# Altium PCB IDC_MCX_Adapter.PCBDOC (part 1 of 2)
Units mm, origin at the board's own origin, x right, y up, seen from the top; angles counter-clockwise.
Board outline 125.1 x 100.1 mm, 4 copper layers (L1, L2, L3, L4), stack 1.527 mm thick; 264 components, 197 nets, 810 pads, 0 vias.
Unrouted connection lines stored in the file: 146.
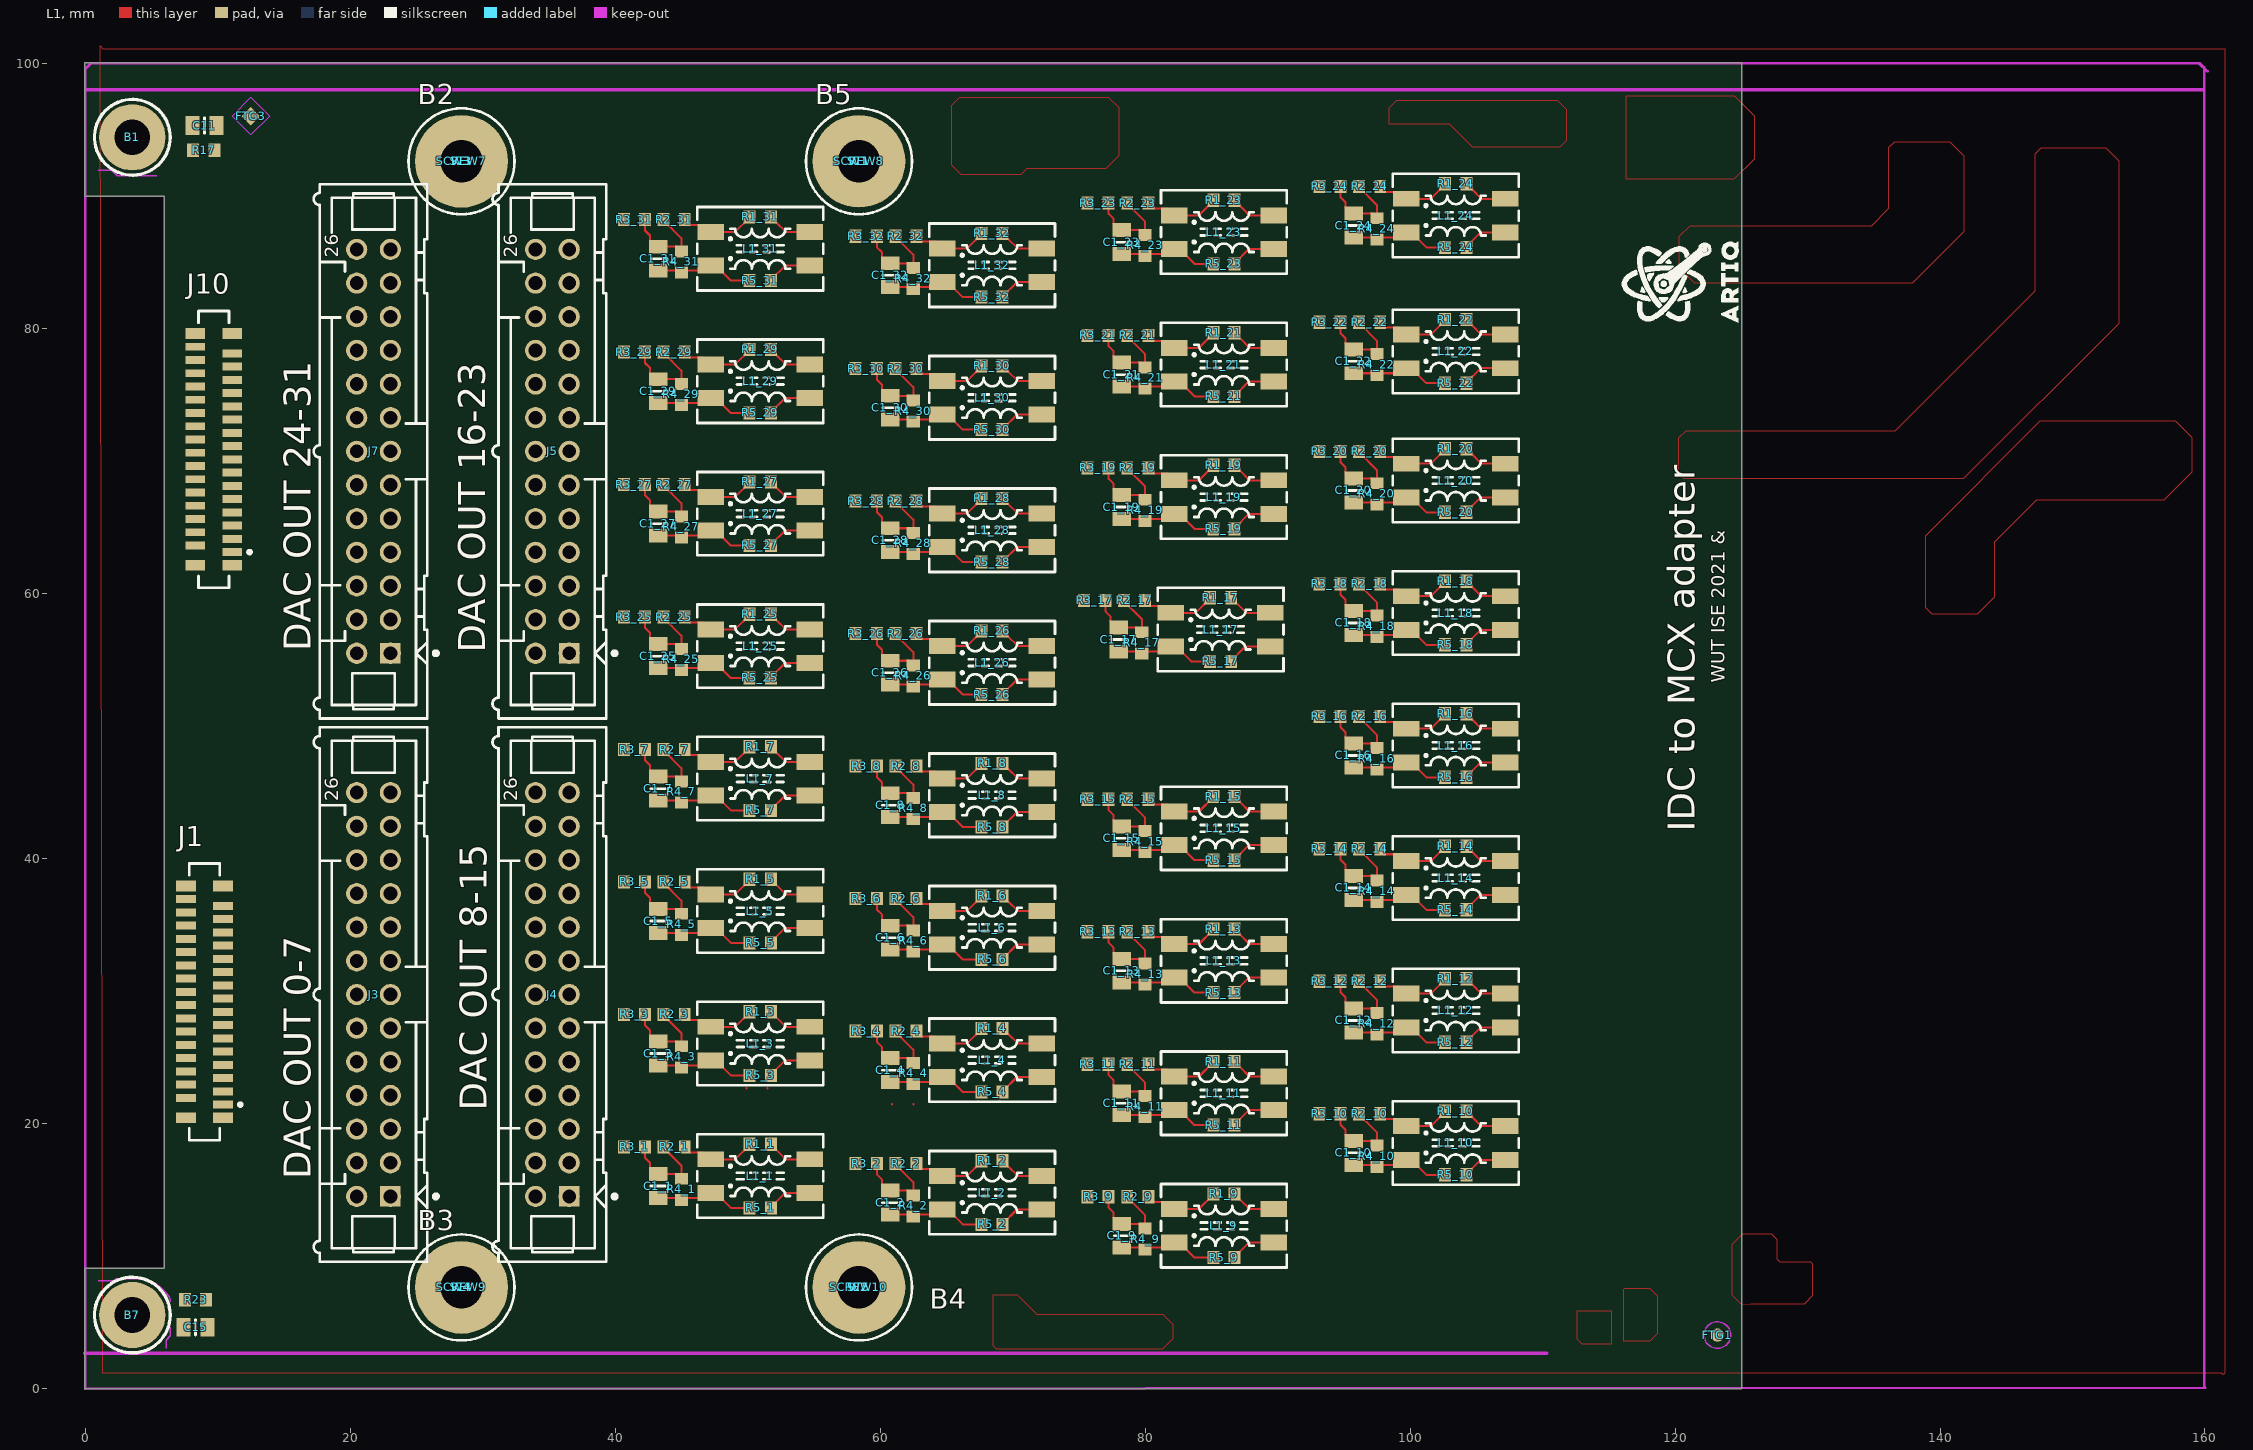
[diagram p0: L1 view]
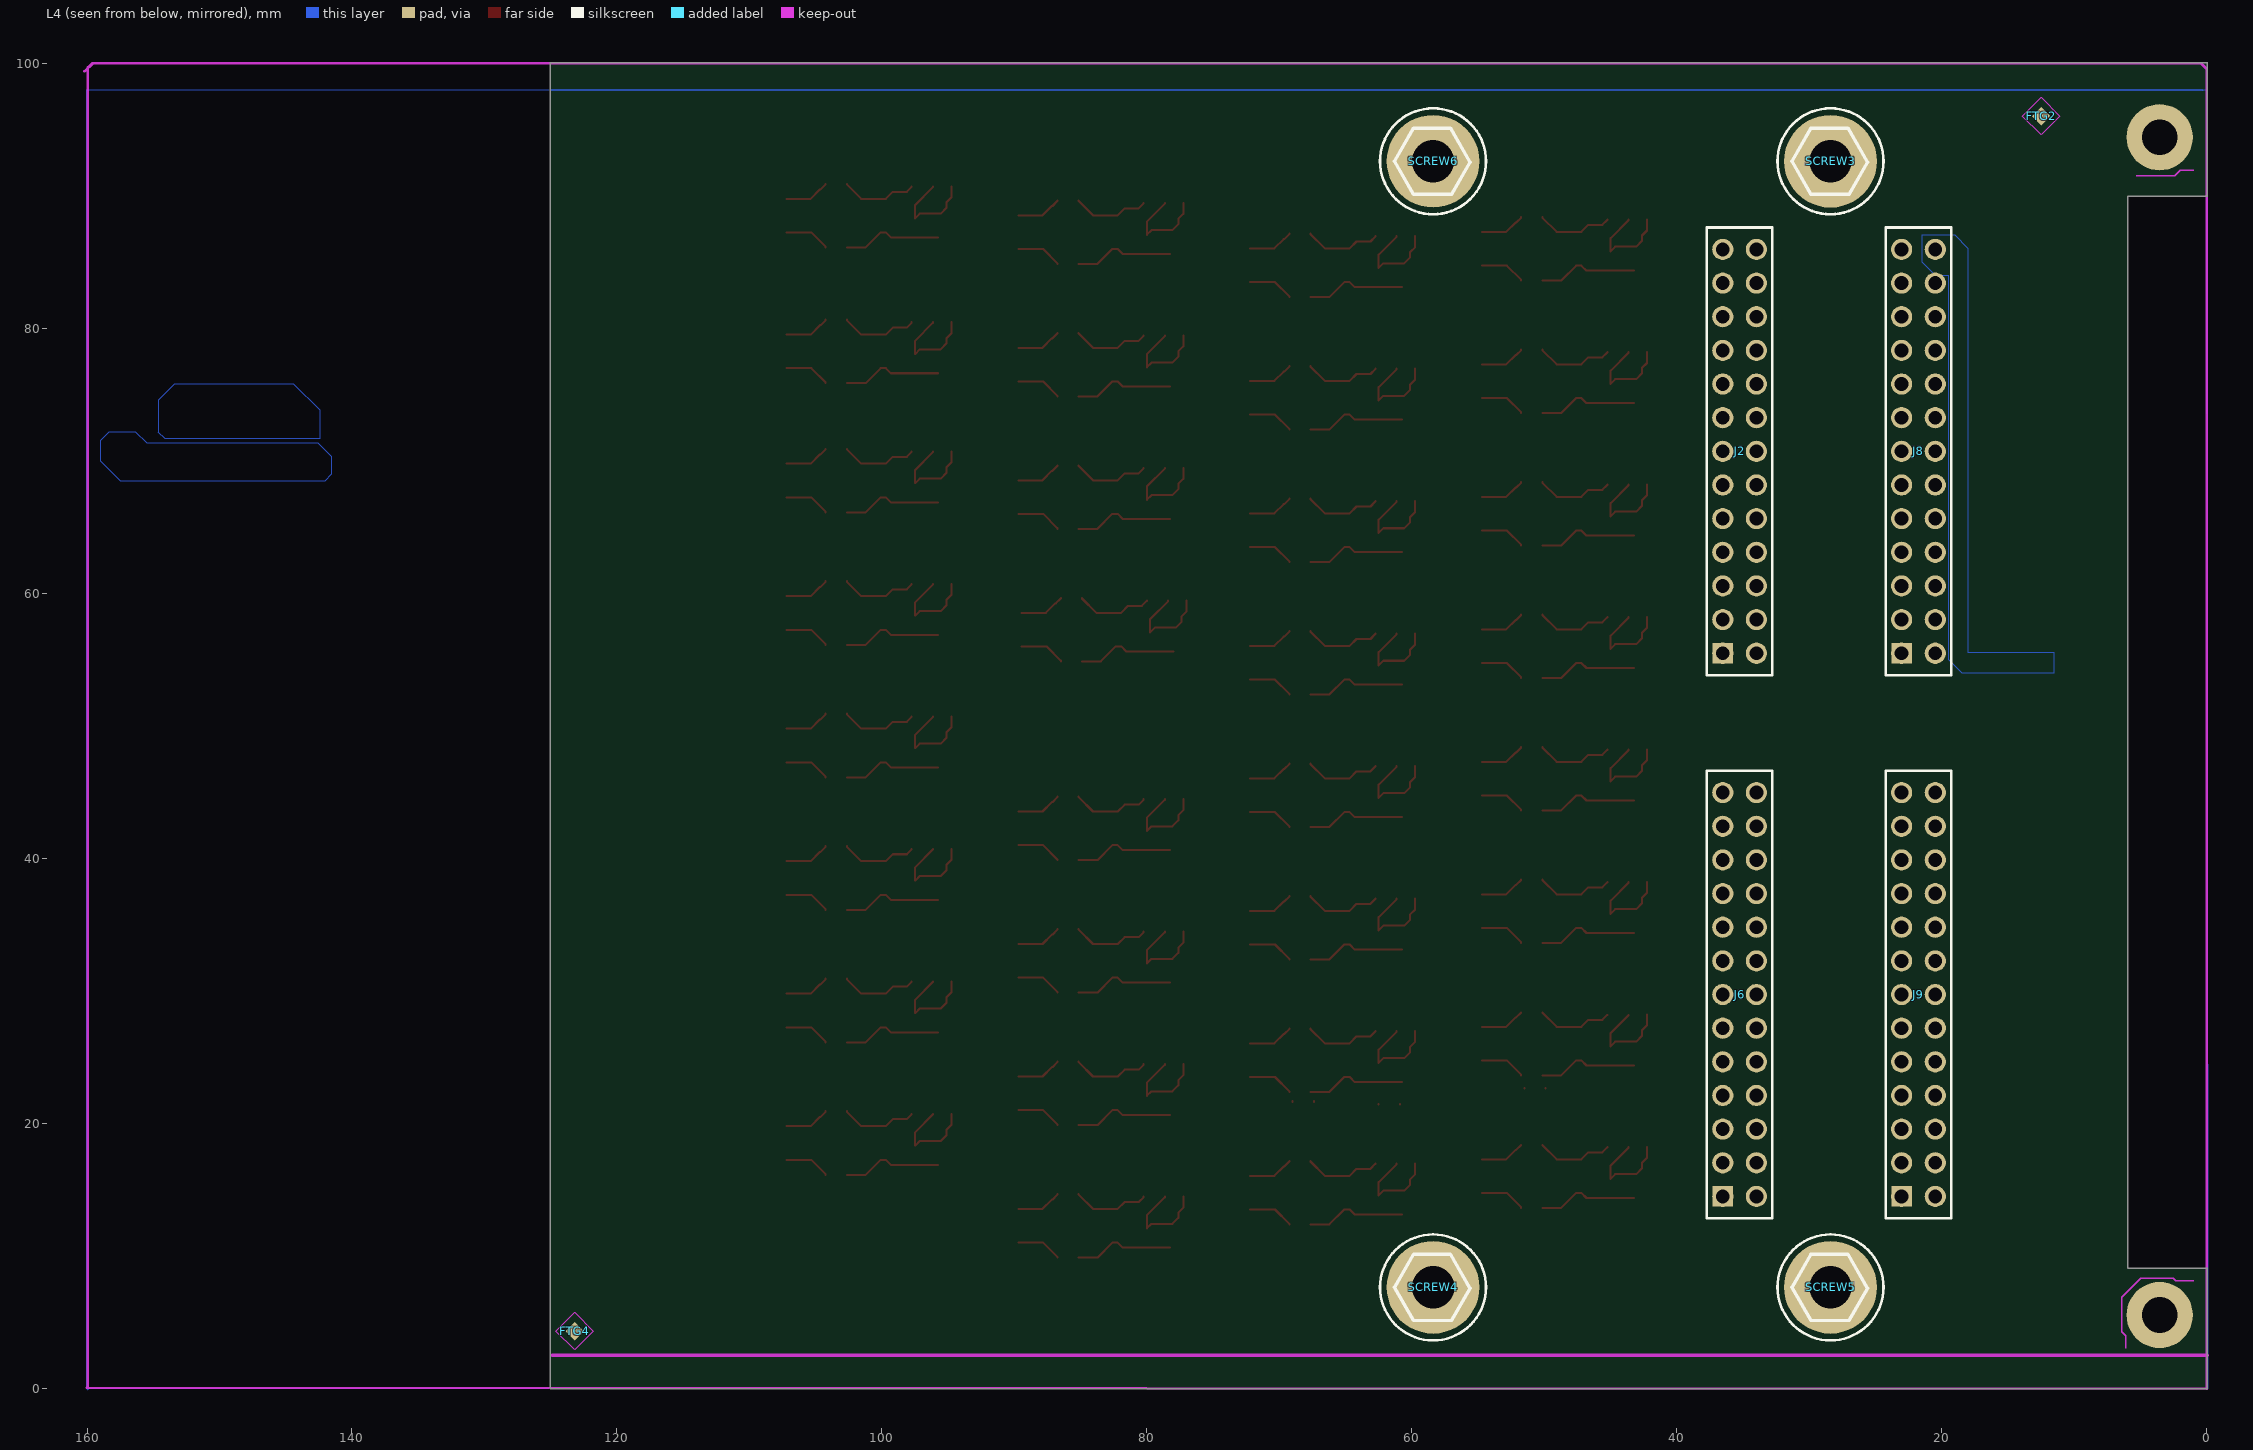
[diagram p1: L4 view, seen from below]
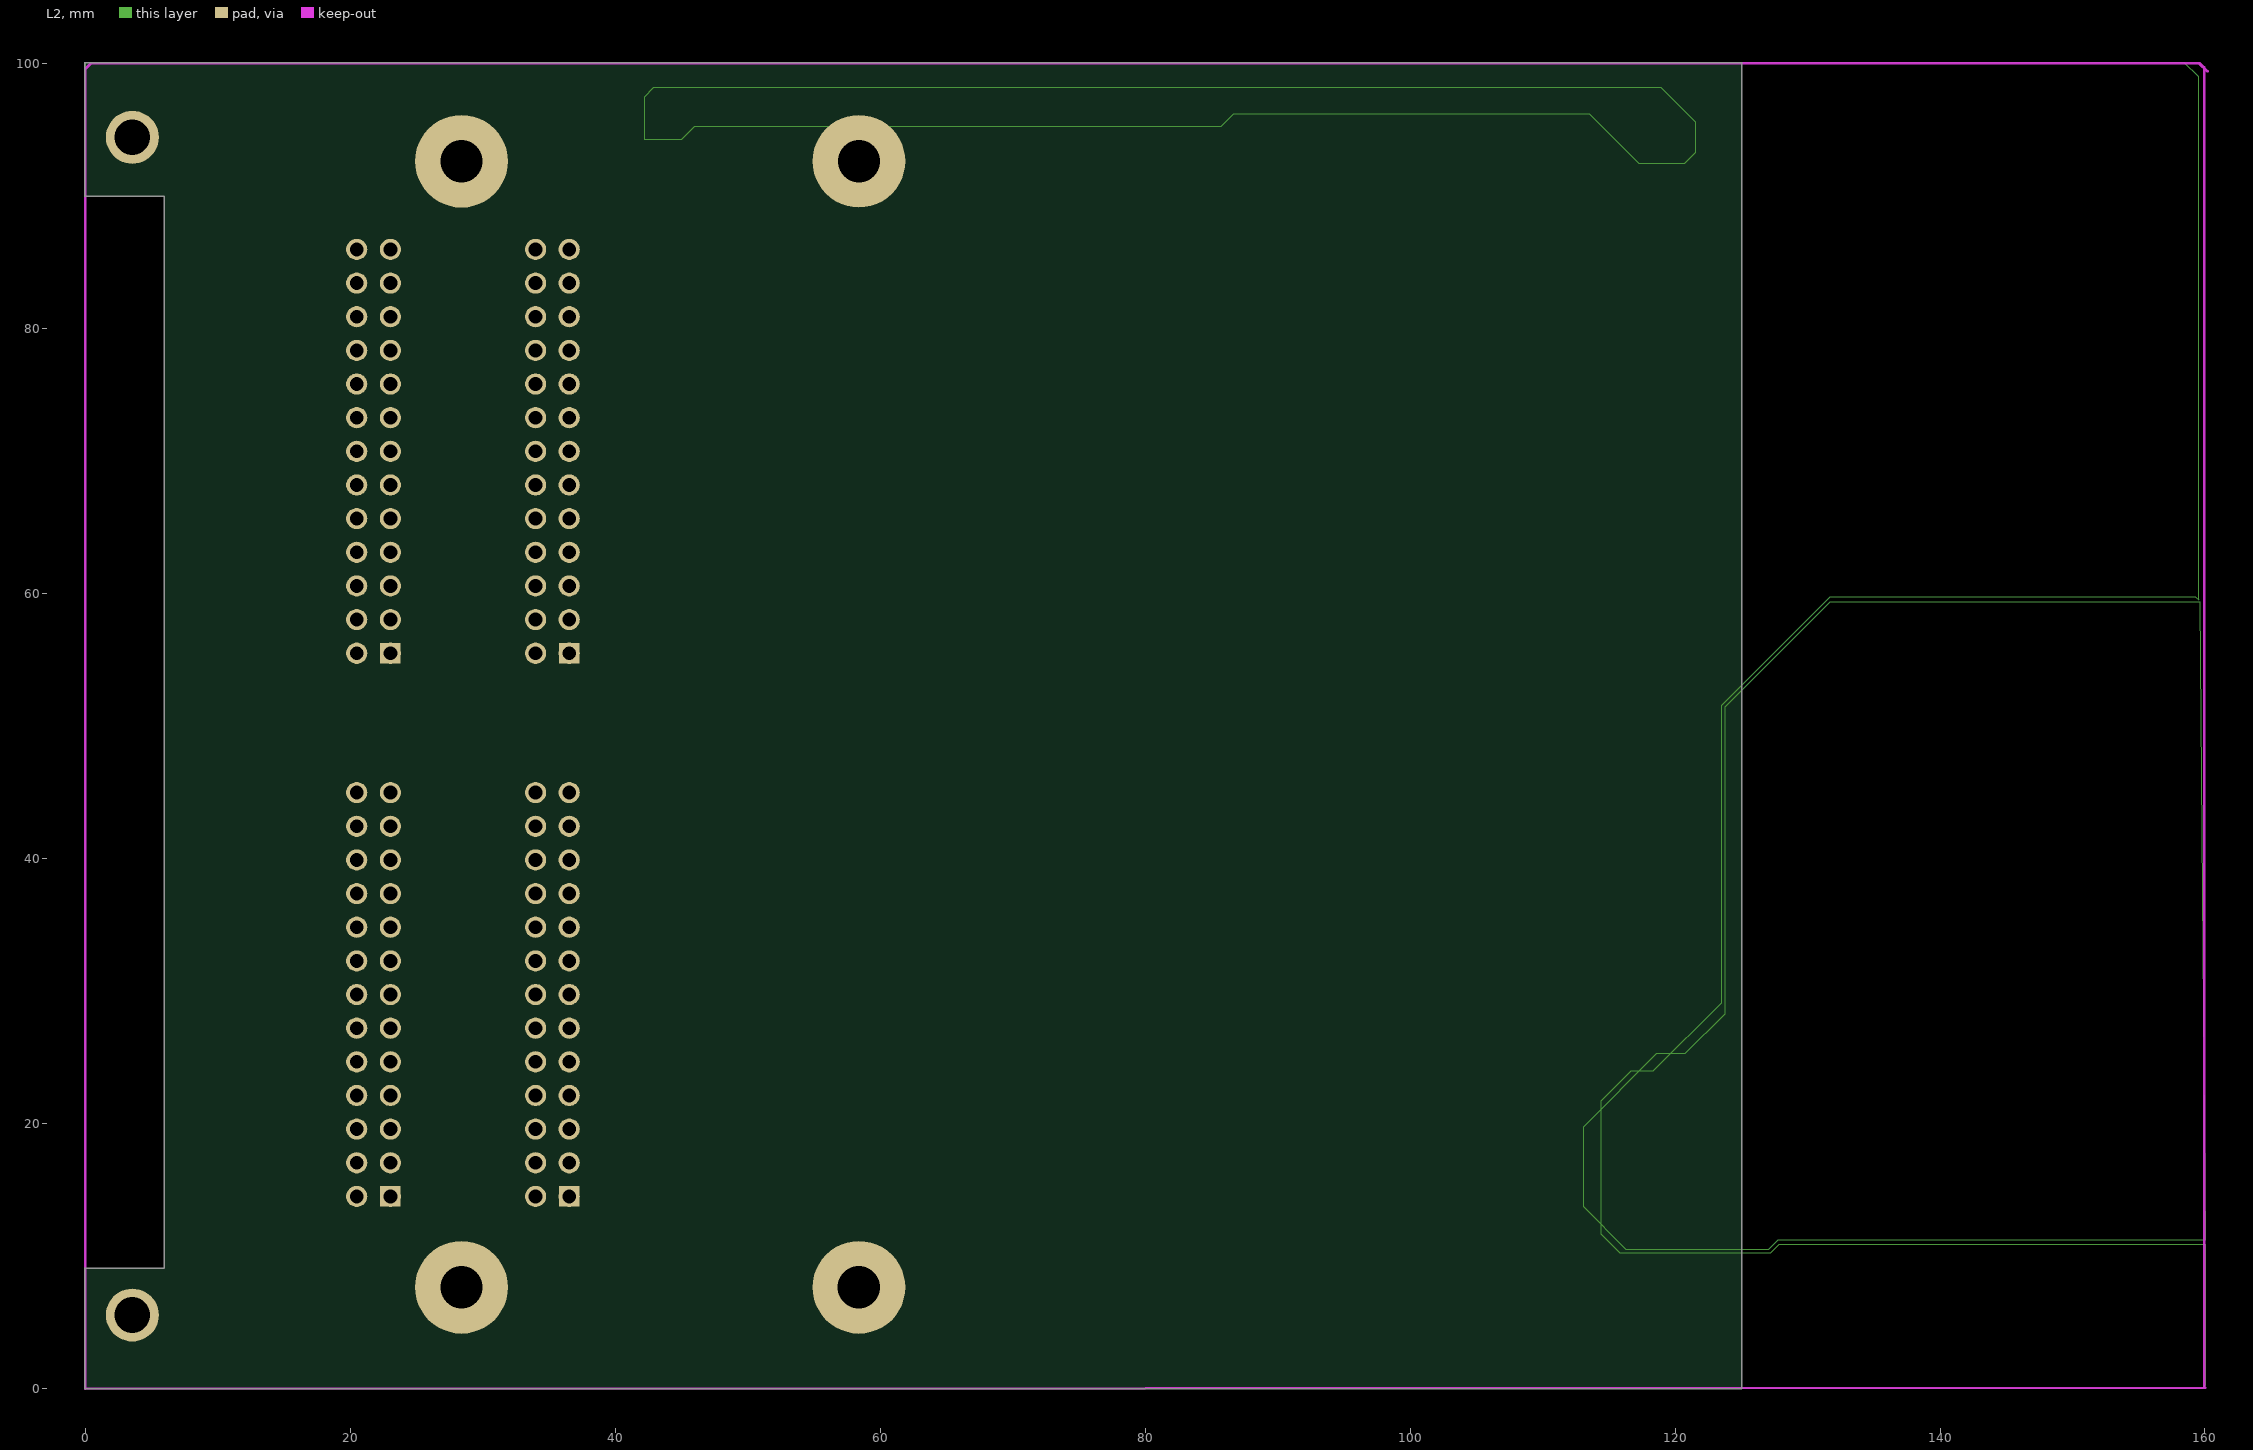
[diagram p2: L2]
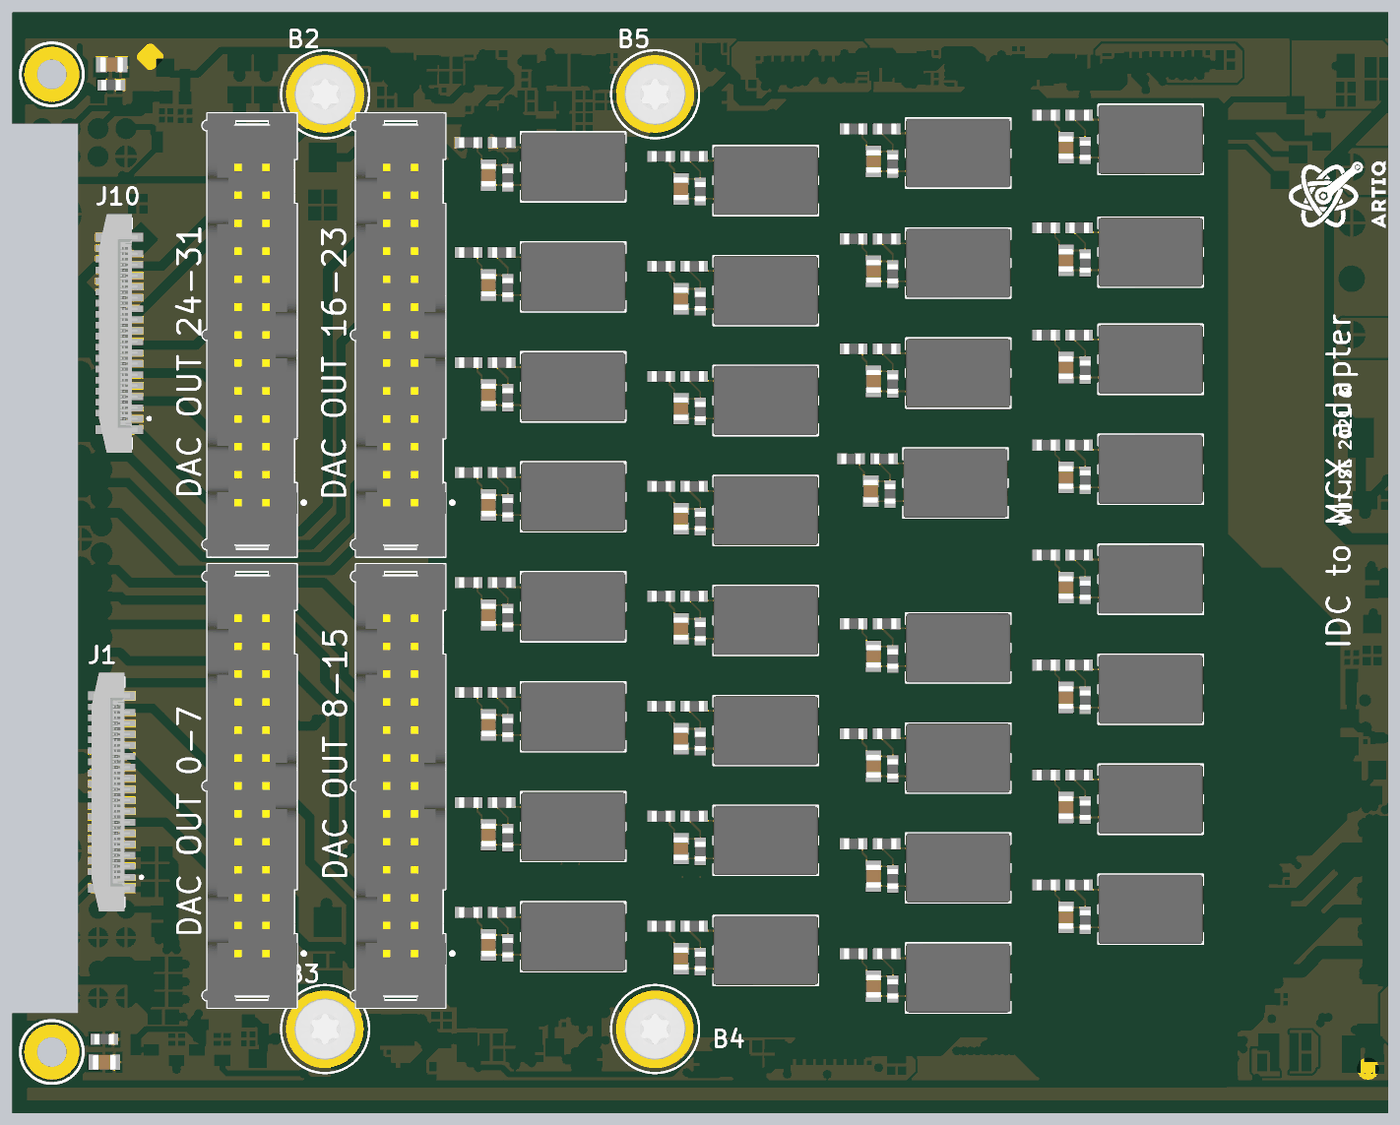
[diagram p4: 3D render of the assembled board from above, using the file's embedded part models]
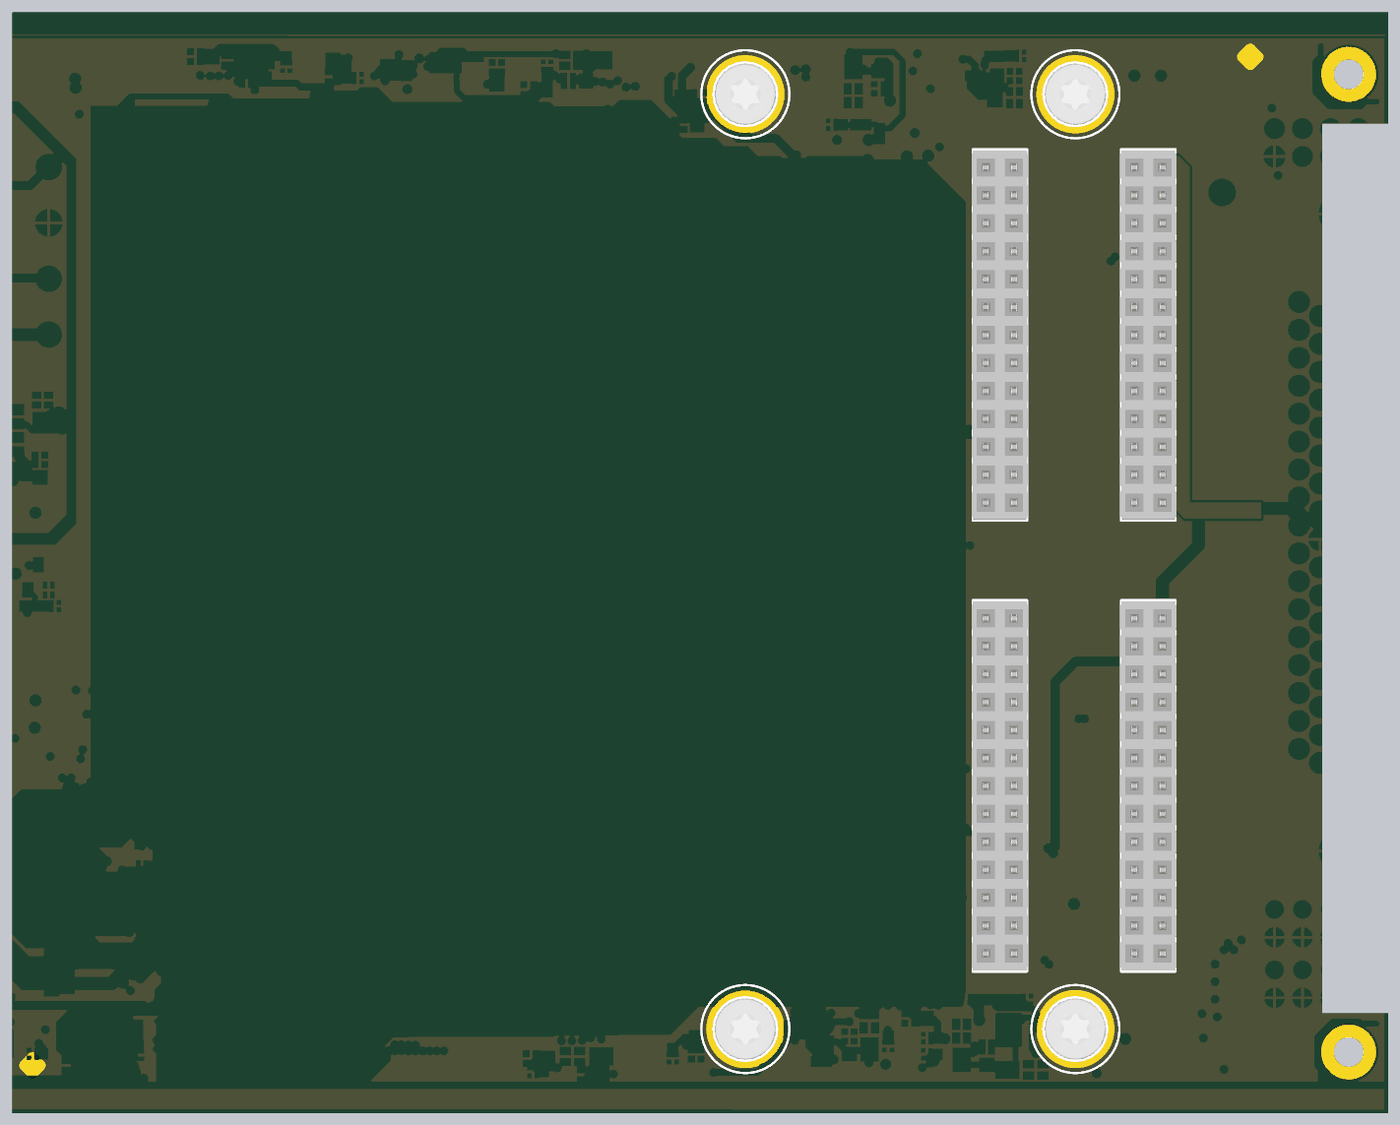
[diagram p5: 3D render of the assembled board from below, using the file's embedded part models]

## Layer stack, top to bottom
Top Solder: solder mask 0.034, Solder Resist, Dk 3.5
L1: signal copper 0.035
Dielectric1: core 0.36, PP-021, Dk 4.7
L2: signal copper 0.018
Dielectric 5a: prepreg 0.7, PP-021, Dk 4.7
L3: signal copper 0.018
Dielectric7: core 0.36, PP-021, Dk 4.7
L4: signal copper 0.0356
Bottom Solder: solder mask 0.034, Solder Resist, Dk 3.5

## Board outline
0,-0.05 cw(c0,0) -0.05,0 -0.05,9 cw(c0,9) 0,9.05 5.95,9.05 5.95,89.95 0,89.95 cw(c0,90) -0.05,90 -0.05,100 cw(c0,100) 0,100.05 125,100.05 cw(c125,100) 125.05,100 125.05,0 cw(c125,0) 125,-0.05 92.814,-0.05 cw(c92.809,0) 92.809,-0.051 75,-0.051 cw(c75,0) 74.996,-0.05

## Design rules (kind name [scope] priority, off if disabled: settings)
AcuteAngle [All] p1: minimum=4.50000000000000E+0001 checktracksonly=FALSE
Clearance Clearance_LVDS [InNetClass('LVDS')] p1: gap=0.127 ignorepadtopadclearanceinfootprint=FALSE except(0.4: Arc-Poly Track-Poly SMDPad-Poly THPad-Poly Fill-Poly Poly-Poly)
Clearance Clearance_xtalk [InNetClass('xtalk analogue') vs InNetClass('xtalk digital')] p2: gap=0.203 ignorepadtopadclearanceinfootprint=TRUE except(0: Arc-Hole Track-Hole SMDPad-Hole THPad-Hole Via-Hole Fill-Hole Poly-Hole Region-Hole Text-Hole; 0.127: Arc-Arc Arc-Track Arc-SMDPad Arc-THPad Arc-Text Track-Track Track-SMDPad Track-THPad Track-Text SMDPad-SMDPad SMDPad-THPad SMDPad-Via SMDPad-Text THPad-THPad THPad-Via THPad-Text Via-Via Via-Text Fill-Text Poly-Text Region-Text Text-Text; 0.381: Arc-Via Track-Via) // Vias cause digital to analogue crosstalk
Clearance Clearance_polyGND [InNet('GND')] p3: gap=0.127 ignorepadtopadclearanceinfootprint=FALSE except(0: Arc-Hole Track-Hole SMDPad-Hole THPad-Hole Via-Hole Fill-Hole Poly-Hole Region-Hole Text-Hole; 0.2: Arc-Poly Track-Poly SMDPad-Poly THPad-Poly Via-Poly Fill-Poly Poly-Poly)
Clearance Clearance_poly1V2 [InNet('P1V2')] p4: gap=0.127 ignorepadtopadclearanceinfootprint=FALSE except(0: Arc-Hole Track-Hole SMDPad-Hole THPad-Hole Via-Hole Fill-Hole Poly-Hole Region-Hole Text-Hole)
Clearance Clearance_poly2V5 [InNet('P2V5')] p5: gap=0.127 ignorepadtopadclearanceinfootprint=FALSE except(0: Arc-Hole Track-Hole SMDPad-Hole THPad-Hole Via-Hole Fill-Hole Poly-Hole Region-Hole Text-Hole)
Clearance Clearance_balancing [InNamedPolygon('balancing')] p6: gap=1.27 ignorepadtopadclearanceinfootprint=FALSE except(0.635: Via-Via Via-Fill Via-Poly Via-Region Via-Text Via-Hole)
Clearance [All] p7: gap=0.127 ignorepadtopadclearanceinfootprint=FALSE except(0: Arc-Hole Track-Hole SMDPad-Hole THPad-Hole Via-Hole Fill-Hole Poly-Hole Region-Hole Text-Hole; 0.203: Arc-Poly Track-Poly SMDPad-Poly THPad-Poly Via-Poly Fill-Poly Poly-Poly)
ComponentClearance [All] p1: gap=0.025 collisioncheckmode=3 verticalgap=0.025 showdistances=FALSE
DiffPairsRouting [All] p1: maxlimit=0.152 minlimit=0.127 mostfreqgap=0.152 toplayer_minwidth=0.127 toplayer_maxwidth=0.152 toplayer_prefwidth=0.152 midlayer1_minwidth=0.127 midlayer1_maxwidth=0.152 midlayer1_prefwidth=0.152 midlayer2_minwidth=0.127 midlayer2_maxwidth=0.152 midlayer2_prefwidth=0.152 bottomlayer_minwidth=0.127 bottomlayer_maxwidth=0.152 bottomlayer_prefwidth=0.152 maxuncoupledlength=12.7
FabricationTestPointUsage TestPointUsage [All] p1: valid=0 allowmultiple=FALSE
FabricationTestpoint Testpoint [All] p1: side=3 testpointundercomponent=TRUE minsize=1.016 maxsize=2.54 preferedsize=1.524 minholesize=0.508 maxholesize=1.016 preferedholesize=0.813 testpointgrid=0.025 allowsidetop=TRUE allowsidebottom=TRUE usegrid=TRUE gridtolerance=0
Height [All] p1: minheight=0 maxheight=40 prefheight=40
HoleSize [All] p1: absolutevalues=TRUE maxlimit=3.81 minlimit=0.025 maxpercent=80.000 minpercent=20.000
HoleToHoleClearance [All] p1: gap=0.025 allowstackedmicrovias=TRUE
MinimumSolderMaskSliver [All] p1: minsoldermaskwidth=0
PlaneClearance [All] p1: clearance=0.2
PlaneConnect [All] p1: planeconnectstyle=Direct reliefexpansion=0.508 reliefentries=4 reliefconductorwidth=0.254 reliefairgap=0.254
PolygonConnect PolygonConnect_pad [(InPadClass('All Pads'))] p1: connectstyle=Relief reliefconductorwidth=0.254 reliefentries=4 polygonreliefangle="90 Angle" airgapwidth=0.254
PolygonConnect [All] p2: connectstyle=Direct reliefconductorwidth=0.254 reliefentries=4 polygonreliefangle="45 Angle" airgapwidth=0.254
RoomDefinition U_RLC_filter1 [InComponentClass('U_RLC_filter1')] p1: confinementstyle=ConfineIn formatcopy=TRUE lockcomponents=FALSE outline 40,12.5 56.5,12.5 56.5,19.5 40,19.5
RoomDefinition U_RLC_filter32 [InComponentClass('U_RLC_filter32')] p2: confinementstyle=ConfineIn formatcopy=TRUE lockcomponents=FALSE outline 57.5,81.25 74,81.25 74,88.25 57.5,88.25
RoomDefinition U_RLC_filter31 [InComponentClass('U_RLC_filter31')] p3: confinementstyle=ConfineIn formatcopy=TRUE lockcomponents=FALSE outline 40,82.5 56.5,82.5 56.5,89.5 40,89.5
RoomDefinition U_RLC_filter30 [InComponentClass('U_RLC_filter30')] p4: confinementstyle=ConfineIn formatcopy=TRUE lockcomponents=FALSE outline 57.5,71.25 74,71.25 74,78.25 57.5,78.25
RoomDefinition U_RLC_filter29 [InComponentClass('U_RLC_filter29')] p5: confinementstyle=ConfineIn formatcopy=TRUE lockcomponents=FALSE outline 40,72.5 56.5,72.5 56.5,79.5 40,79.5
RoomDefinition U_RLC_filter28 [InComponentClass('U_RLC_filter28')] p6: confinementstyle=ConfineIn formatcopy=TRUE lockcomponents=FALSE outline 57.5,61.25 74,61.25 74,68.25 57.5,68.25
RoomDefinition U_RLC_filter27 [InComponentClass('U_RLC_filter27')] p7: confinementstyle=ConfineIn formatcopy=TRUE lockcomponents=FALSE outline 40,62.5 56.5,62.5 56.5,69.5 40,69.5
RoomDefinition U_RLC_filter26 [InComponentClass('U_RLC_filter26')] p8: confinementstyle=ConfineIn formatcopy=TRUE lockcomponents=FALSE outline 57.5,51.25 74,51.25 74,58.25 57.5,58.25